# EAGLE board Mk4 Final Panel 8up 4x2 (EAGLE 9.0.1), part 10 of 23 (continued)
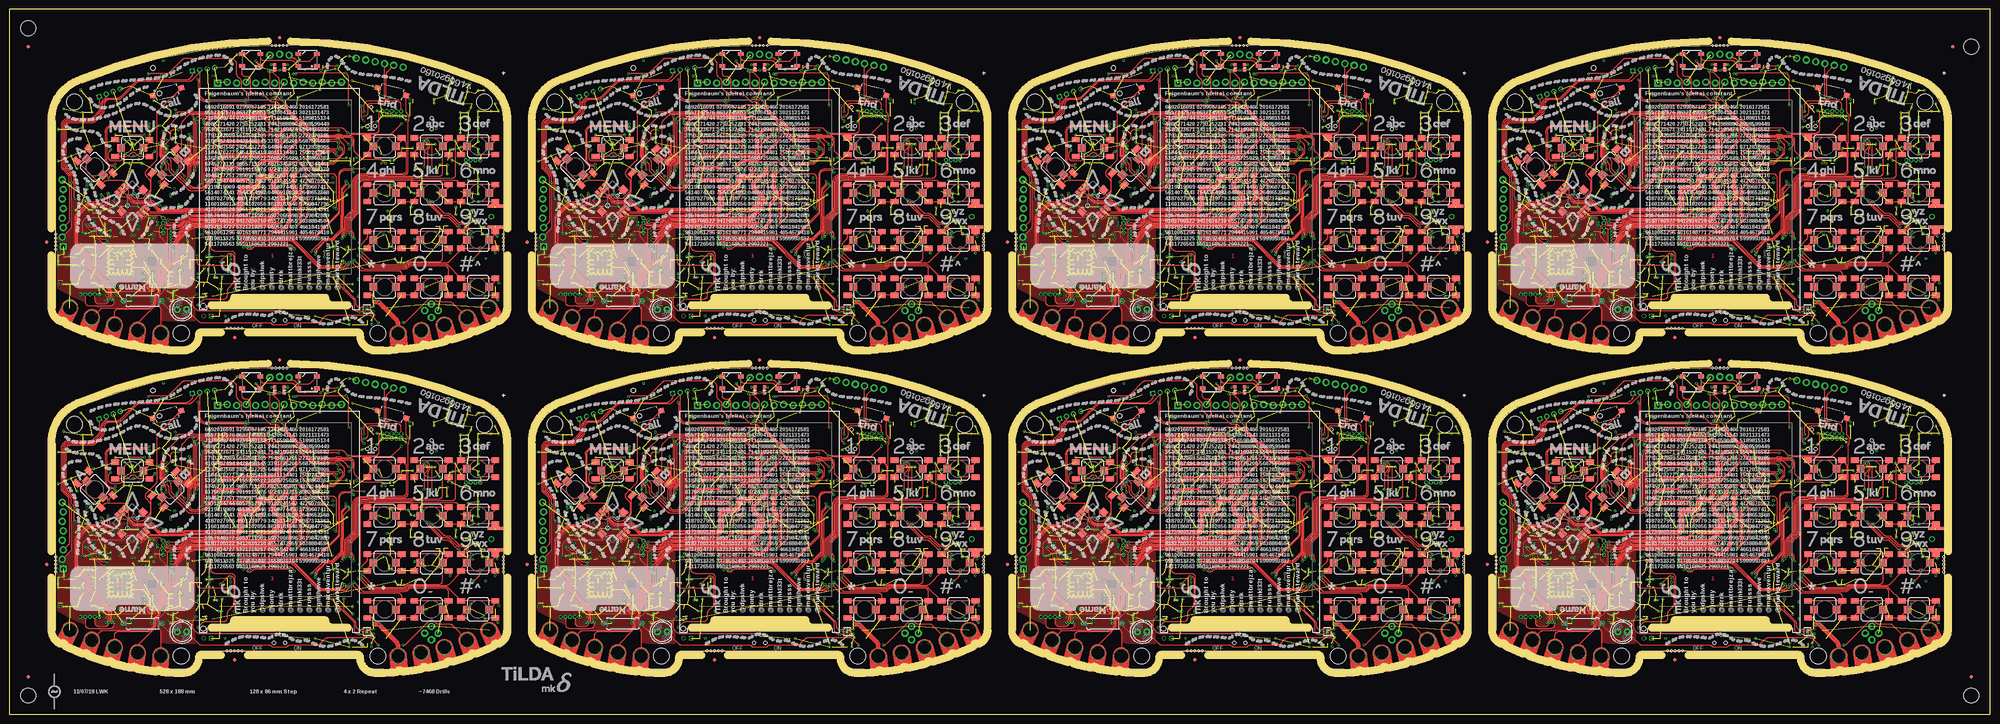
[diagram p0: board, top side]
## Tracks (layer width: path | path; a pad name or v marks a point on that pad's centre or on a via) (continued)
  Bottom 0.25: v482.35,104.5 v489,104.5
  Bottom 0.4: Q30.3 502.93,109.3 arc45 503.22,108.59 504.91,106.91
  Bottom 0.5: 504.91,106.91 PCB7.FET
FLASH_!CS  (via drill 0.3)
  Top 0.15: v25.75,24.5 26.23,24.98 arc45 26.52,25.69 26.52,26.73 arc45 26.23,27.44 24.9,28.77 arc-45 24.83,28.95 24.83,29.22 arc45 24.75,29.4 21.31,32.84 arc-45 20.8,34.08 20.8,35.29 arc45 20.51,35.99 18.01,38.49 arc-45 17.5,39.73 17.5,46.48 arc-45 18.01,47.71 20.46,50.16 arc-45 21.7,50.67 23.26,50.67 arc45 23.97,50.97 v24.5,51.5
  Bottom 0.15: JP1.3 21.48,24.5 arc90 22.48,23.5 24.34,23.5 arc45 25.04,23.79 v25.75,24.5 26.28,25.03 arc45 26.58,25.74 26.58,28.94 arc-45 26.63,29.08 26.72,29.16 arc45 26.77,29.3 26.77,29.66 26.75,29.68 IC15.14
  Bottom 0.2: R67.1 22.5,50.22 IC14.1 23.34,50.34 v24.5,51.5
FLASH_!CS1  (via drill 0.3)
  Top 0.15: v153.75,24.5 154.23,24.98 arc45 154.53,25.69 154.53,26.73 arc45 154.23,27.44 152.9,28.77 arc-45 152.82,28.95 152.82,29.22 arc45 152.75,29.4 149.31,32.84 arc-45 148.8,34.08 148.8,35.29 arc45 148.51,35.99 146.01,38.49 arc-45 145.5,39.73 145.5,46.48 arc-45 146.01,47.71 148.46,50.16 arc-45 149.7,50.67 151.26,50.67 arc45 151.97,50.97 v152.5,51.5
  Bottom 0.15: JP15.3 149.48,24.5 arc90 150.48,23.5 152.34,23.5 arc45 153.04,23.79 v153.75,24.5 154.28,25.03 arc45 154.57,25.74 154.57,28.94 arc-45 154.63,29.08 154.72,29.16 arc45 154.78,29.3 154.78,29.66 154.75,29.68 IC29.14
  Bottom 0.2: R145.1 150.5,50.22 IC30.1 151.34,50.34 v152.5,51.5
FLASH_!CS2  (via drill 0.3)
  Top 0.15: v25.75,110.5 26.23,110.98 arc45 26.52,111.69 26.52,112.73 arc45 26.23,113.44 24.9,114.78 arc-45 24.83,114.95 24.83,115.22 arc45 24.75,115.4 21.31,118.84 arc-45 20.8,120.08 20.8,121.29 arc45 20.51,121.99 18.01,124.49 arc-45 17.5,125.73 17.5,132.47 arc-45 18.01,133.71 20.46,136.16 arc-45 21.7,136.68 23.26,136.68 arc45 23.97,136.97 v24.5,137.5
  Bottom 0.15: JP24.3 21.48,110.5 arc90 22.48,109.5 24.34,109.5 arc45 25.04,109.79 v25.75,110.5 26.28,111.03 arc45 26.58,111.74 26.58,114.94 arc-45 26.63,115.08 26.72,115.16 arc45 26.77,115.3 26.77,115.66 26.75,115.68 IC47.14
  Bottom 0.2: R223.1 22.5,136.22 IC48.1 23.34,136.34 v24.5,137.5
FLASH_!CS3  (via drill 0.3)
  Top 0.15: v153.75,110.5 154.23,110.98 arc45 154.53,111.69 154.53,112.73 arc45 154.23,113.44 152.9,114.78 arc-45 152.82,114.95 152.82,115.22 arc45 152.75,115.4 149.31,118.84 arc-45 148.8,120.08 148.8,121.29 arc45 148.51,121.99 146.01,124.49 arc-45 145.5,125.73 145.5,132.47 arc-45 146.01,133.71 148.46,136.16 arc-45 149.7,136.68 151.26,136.68 arc45 151.97,136.97 v152.5,137.5
  Bottom 0.15: JP33.3 149.48,110.5 arc90 150.48,109.5 152.34,109.5 arc45 153.04,109.79 v153.75,110.5 154.28,111.03 arc45 154.57,111.74 154.57,114.94 arc-45 154.63,115.08 154.72,115.16 arc45 154.78,115.3 154.78,115.66 154.75,115.68 IC65.14
  Bottom 0.2: R301.1 150.5,136.22 IC66.1 151.34,136.34 v152.5,137.5
FLASH_!CS4  (via drill 0.3)
  Top 0.15: v281.75,24.5 282.23,24.98 arc45 282.52,25.69 282.52,26.73 arc45 282.23,27.44 280.9,28.77 arc-45 280.82,28.95 280.82,29.22 arc45 280.75,29.4 277.31,32.84 arc-45 276.8,34.08 276.8,35.29 arc45 276.51,35.99 274.01,38.49 arc-45 273.5,39.73 273.5,46.48 arc-45 274.01,47.71 276.46,50.16 arc-45 277.7,50.67 279.26,50.67 arc45 279.97,50.97 v280.5,51.5
  Bottom 0.15: JP42.3 277.48,24.5 arc90 278.48,23.5 280.34,23.5 arc45 281.04,23.79 v281.75,24.5 282.28,25.03 arc45 282.57,25.74 282.57,28.94 arc-45 282.63,29.08 282.72,29.16 arc45 282.77,29.3 282.77,29.66 282.75,29.68 IC83.14
  Bottom 0.2: R379.1 278.5,50.22 IC84.1 279.35,50.34 v280.5,51.5
FLASH_!CS5  (via drill 0.3)
  Top 0.15: v409.75,24.5 410.23,24.98 arc45 410.52,25.69 410.52,26.73 arc45 410.23,27.44 408.9,28.77 arc-45 408.82,28.95 408.82,29.22 arc45 408.75,29.4 405.31,32.84 arc-45 404.8,34.08 404.8,35.29 arc45 404.51,35.99 402.01,38.49 arc-45 401.5,39.73 401.5,46.48 arc-45 402.01,47.71 404.46,50.16 arc-45 405.7,50.67 407.26,50.67 arc45 407.97,50.97 v408.5,51.5
  Bottom 0.15: JP51.3 405.48,24.5 arc90 406.48,23.5 408.34,23.5 arc45 409.04,23.79 v409.75,24.5 410.28,25.03 arc45 410.57,25.74 410.57,28.94 arc-45 410.63,29.08 410.72,29.16 arc45 410.77,29.3 410.77,29.66 410.75,29.68 IC101.14
  Bottom 0.2: R457.1 406.5,50.22 IC102.1 407.35,50.34 v408.5,51.5
FLASH_!CS6  (via drill 0.3)
  Top 0.15: v281.75,110.5 282.23,110.98 arc45 282.52,111.69 282.52,112.73 arc45 282.23,113.44 280.9,114.78 arc-45 280.82,114.95 280.82,115.22 arc45 280.75,115.4 277.31,118.84 arc-45 276.8,120.08 276.8,121.29 arc45 276.51,121.99 274.01,124.49 arc-45 273.5,125.73 273.5,132.47 arc-45 274.01,133.71 276.46,136.16 arc-45 277.7,136.68 279.26,136.68 arc45 279.97,136.97 v280.5,137.5
  Bottom 0.15: JP60.3 277.48,110.5 arc90 278.48,109.5 280.34,109.5 arc45 281.04,109.79 v281.75,110.5 282.28,111.03 arc45 282.57,111.74 282.57,114.94 arc-45 282.63,115.08 282.72,115.16 arc45 282.77,115.3 282.77,115.66 282.75,115.68 IC119.14
  Bottom 0.2: R535.1 278.5,136.22 IC120.1 279.35,136.34 v280.5,137.5
FLASH_!CS7  (via drill 0.3)
  Top 0.15: v409.75,110.5 410.23,110.98 arc45 410.52,111.69 410.52,112.73 arc45 410.23,113.44 408.9,114.78 arc-45 408.82,114.95 408.82,115.22 arc45 408.75,115.4 405.31,118.84 arc-45 404.8,120.08 404.8,121.29 arc45 404.51,121.99 402.01,124.49 arc-45 401.5,125.73 401.5,132.47 arc-45 402.01,133.71 404.46,136.16 arc-45 405.7,136.68 407.26,136.68 arc45 407.97,136.97 v408.5,137.5
  Bottom 0.15: JP69.3 405.48,110.5 arc90 406.48,109.5 408.34,109.5 arc45 409.04,109.79 v409.75,110.5 410.28,111.03 arc45 410.57,111.74 410.57,114.94 arc-45 410.63,115.08 410.72,115.16 arc45 410.77,115.3 410.77,115.66 410.75,115.68 IC137.14
  Bottom 0.2: R613.1 406.5,136.22 IC138.1 407.35,136.34 v408.5,137.5
FLASH_!HOLD
  Bottom 0.2: R9.2 81.31,55.75 IC6.7
FLASH_!HOLD1
  Bottom 0.2: R93.2 209.31,55.75 IC22.7
FLASH_!HOLD2
  Bottom 0.2: R171.2 81.31,141.75 IC40.7
FLASH_!HOLD3
  Bottom 0.2: R249.2 209.31,141.75 IC58.7
FLASH_!HOLD4
  Bottom 0.2: R327.2 337.31,55.75 IC76.7
FLASH_!HOLD5
  Bottom 0.2: R405.2 465.31,55.75 IC94.7
FLASH_!HOLD6
  Bottom 0.2: R483.2 337.31,141.75 IC112.7
FLASH_!HOLD7
  Bottom 0.2: R561.2 465.31,141.75 IC130.7
FLASH_!WP
  Bottom 0.2: IC6.3 89.73,54.52 R10.2
FLASH_!WP1
  Bottom 0.2: IC22.3 217.74,54.52 R94.2
FLASH_!WP2
  Bottom 0.2: IC40.3 89.73,140.51 R172.2
FLASH_!WP3
  Bottom 0.2: IC58.3 217.74,140.51 R250.2
FLASH_!WP4
  Bottom 0.2: IC76.3 345.74,54.52 R328.2
FLASH_!WP5
  Bottom 0.2: IC94.3 473.74,54.52 R406.2
FLASH_!WP6
  Bottom 0.2: IC112.3 345.74,140.51 R484.2
FLASH_!WP7
  Bottom 0.2: IC130.3 473.74,140.51 R562.2
FLASH_CLK  (via drill 0.3)
  Top 0.15: v26.75,52.25 26.75,51.02 arc-90 25.5,49.77 21.76,49.77 arc45 21.05,49.48 18.69,47.12 arc45 18.4,46.41 18.4,39.81 arc45 18.69,39.11 21.49,36.31 arc-45 21.7,35.8 21.7,34.14 arc45 21.99,33.43 25.65,29.77 arc-45 25.73,29.59 25.73,29.32 arc45 25.8,29.15 26.96,27.98 arc-45 27.48,26.75 27.48,25.44 arc45 27.77,24.73 v28,24.5 28,24 arc-90 27,23 21.21,23 arc-90 20.21,24 JP1.4
  Bottom 0.15: IC15.11 28.25,29.84 arc-45 27.96,29.13 27.77,28.94 arc45 27.48,28.23 27.48,25.44 arc45 27.77,24.73 v28,24.5
  Bottom 0.2: IC14.6 27.8,52.88 arc45 27.09,52.59 v26.75,52.25
FLASH_CLK1  (via drill 0.3)
  Top 0.15: v154.75,52.25 154.75,51.02 arc-90 153.5,49.77 149.76,49.77 arc45 149.06,49.48 146.69,47.12 arc45 146.4,46.41 146.4,39.81 arc45 146.69,39.11 149.49,36.31 arc-45 149.7,35.8 149.7,34.14 arc45 149.99,33.43 153.65,29.77 arc-45 153.72,29.59 153.72,29.32 arc45 153.8,29.15 154.96,27.98 arc-45 155.47,26.75 155.47,25.44 arc45 155.77,24.73 v156,24.5 156,24 arc-90 155,23 149.21,23 arc-90 148.21,24 JP15.4
  Bottom 0.15: IC29.11 156.25,29.84 arc-45 155.96,29.13 155.77,28.94 arc45 155.47,28.23 155.47,25.44 arc45 155.77,24.73 v156,24.5
  Bottom 0.2: IC30.6 155.8,52.88 arc45 155.09,52.59 v154.75,52.25
FLASH_CLK2  (via drill 0.3)
  Top 0.15: v26.75,138.25 26.75,137.03 arc-90 25.5,135.78 21.76,135.78 arc45 21.05,135.48 18.69,133.12 arc45 18.4,132.41 18.4,125.81 arc45 18.69,125.11 21.49,122.31 arc-45 21.7,121.8 21.7,120.14 arc45 21.99,119.43 25.65,115.77 arc-45 25.73,115.59 25.73,115.33 arc45 25.8,115.15 26.96,113.98 arc-45 27.48,112.75 27.48,111.44 arc45 27.77,110.73 v28,110.5 28,110 arc-90 27,109 21.21,109 arc-90 20.21,110 JP24.4
  Bottom 0.15: IC47.11 28.25,115.84 arc-45 27.96,115.13 27.77,114.94 arc45 27.48,114.23 27.48,111.44 arc45 27.77,110.73 v28,110.5
  Bottom 0.2: IC48.6 27.8,138.88 arc45 27.09,138.59 v26.75,138.25
FLASH_CLK3  (via drill 0.3)
  Top 0.15: v154.75,138.25 154.75,137.03 arc-90 153.5,135.78 149.76,135.78 arc45 149.06,135.48 146.69,133.12 arc45 146.4,132.41 146.4,125.81 arc45 146.69,125.11 149.49,122.31 arc-45 149.7,121.8 149.7,120.14 arc45 149.99,119.43 153.65,115.77 arc-45 153.72,115.59 153.72,115.33 arc45 153.8,115.15 154.96,113.98 arc-45 155.47,112.75 155.47,111.44 arc45 155.77,110.73 v156,110.5 156,110 arc-90 155,109 149.21,109 arc-90 148.21,110 JP33.4
  Bottom 0.15: IC65.11 156.25,115.84 arc-45 155.96,115.13 155.77,114.94 arc45 155.47,114.23 155.47,111.44 arc45 155.77,110.73 v156,110.5
  Bottom 0.2: IC66.6 155.8,138.88 arc45 155.09,138.59 v154.75,138.25
FLASH_CLK4  (via drill 0.3)
  Top 0.15: v282.75,52.25 282.75,51.02 arc-90 281.5,49.77 277.76,49.77 arc45 277.06,49.48 274.69,47.12 arc45 274.4,46.41 274.4,39.81 arc45 274.69,39.11 277.49,36.31 arc-45 277.7,35.8 277.7,34.14 arc45 277.99,33.43 281.65,29.77 arc-45 281.73,29.59 281.73,29.32 arc45 281.8,29.15 282.96,27.98 arc-45 283.48,26.75 283.48,25.44 arc45 283.77,24.73 v284,24.5 284,24 arc-90 283,23 277.21,23 arc-90 276.21,24 JP42.4
  Bottom 0.15: IC83.11 284.25,29.84 arc-45 283.96,29.13 283.77,28.94 arc45 283.48,28.23 283.48,25.44 arc45 283.77,24.73 v284,24.5
  Bottom 0.2: IC84.6 283.8,52.88 arc45 283.09,52.59 v282.75,52.25
FLASH_CLK5  (via drill 0.3)
  Top 0.15: v410.75,52.25 410.75,51.02 arc-90 409.5,49.77 405.76,49.77 arc45 405.06,49.48 402.69,47.12 arc45 402.4,46.41 402.4,39.81 arc45 402.69,39.11 405.49,36.31 arc-45 405.7,35.8 405.7,34.14 arc45 405.99,33.43 409.65,29.77 arc-45 409.73,29.59 409.73,29.32 arc45 409.8,29.15 410.96,27.98 arc-45 411.48,26.75 411.48,25.44 arc45 411.77,24.73 v412,24.5 412,24 arc-90 411,23 405.21,23 arc-90 404.21,24 JP51.4
  Bottom 0.15: IC101.11 412.25,29.84 arc-45 411.96,29.13 411.77,28.94 arc45 411.48,28.23 411.48,25.44 arc45 411.77,24.73 v412,24.5
  Bottom 0.2: IC102.6 411.8,52.88 arc45 411.09,52.59 v410.75,52.25
FLASH_CLK6  (via drill 0.3)
  Top 0.15: v282.75,138.25 282.75,137.03 arc-90 281.5,135.78 277.76,135.78 arc45 277.06,135.48 274.69,133.12 arc45 274.4,132.41 274.4,125.81 arc45 274.69,125.11 277.49,122.31 arc-45 277.7,121.8 277.7,120.14 arc45 277.99,119.43 281.65,115.77 arc-45 281.73,115.59 281.73,115.33 arc45 281.8,115.15 282.96,113.98 arc-45 283.48,112.75 283.48,111.44 arc45 283.77,110.73 v284,110.5 284,110 arc-90 283,109 277.21,109 arc-90 276.21,110 JP60.4
  Bottom 0.15: IC119.11 284.25,115.84 arc-45 283.96,115.13 283.77,114.94 arc45 283.48,114.23 283.48,111.44 arc45 283.77,110.73 v284,110.5
  Bottom 0.2: IC120.6 283.8,138.88 arc45 283.09,138.59 v282.75,138.25
FLASH_CLK7  (via drill 0.3)
  Top 0.15: v410.75,138.25 410.75,137.03 arc-90 409.5,135.78 405.76,135.78 arc45 405.06,135.48 402.69,133.12 arc45 402.4,132.41 402.4,125.81 arc45 402.69,125.11 405.49,122.31 arc-45 405.7,121.8 405.7,120.14 arc45 405.99,119.43 409.65,115.77 arc-45 409.73,115.59 409.73,115.33 arc45 409.8,115.15 410.96,113.98 arc-45 411.48,112.75 411.48,111.44 arc45 411.77,110.73 v412,110.5 412,110 arc-90 411,109 405.21,109 arc-90 404.21,110 JP69.4
  Bottom 0.15: IC137.11 412.25,115.84 arc-45 411.96,115.13 411.77,114.94 arc45 411.48,114.23 411.48,111.44 arc45 411.77,110.73 v412,110.5
  Bottom 0.2: IC138.6 411.8,138.88 arc45 411.09,138.59 v410.75,138.25
FLASH_MISO  (via drill 0.3)
  Top 0.15: v24.5,52.5 arc-45 24.84,52.36 25.11,52.09 arc-45 25.4,51.39 25.4,51.38 arc-90 24.4,50.38 21.72,50.38 arc45 20.66,49.94 18.24,47.52 arc45 17.8,46.45 17.8,39.75 arc45 18.24,38.69 20.73,36.19 arc-45 21.1,35.31 21.1,34.1 arc45 21.54,33.03 25.05,29.52 arc-45 25.12,29.35 25.12,29.08 arc45 25.2,28.9 26.46,27.64 arc-45 26.83,26.76 26.83,25.24 arc-45 26.53,24.53 v26.5,24.5 arc-90 25.5,23.5 23.75,23.5 arc-90 22.75,24.5 JP1.2
  Bottom 0.15: 26.5,24.6 v26.5,24.5 26.5,24.71 arc-45 26.58,24.91 arc45 26.88,25.62 26.88,28.48 arc-45 27.17,29.19 arc45 27.25,29.39 IC15.13
  Bottom 0.2: IC14.2 23.2,51.62 arc45 23.91,51.91 v24.5,52.5
FLASH_MISO1  (via drill 0.3)
  Top 0.15: v152.5,52.5 arc-45 152.84,52.36 153.11,52.09 arc-45 153.4,51.39 153.4,51.38 arc-90 152.4,50.38 149.72,50.38 arc45 148.66,49.94 146.24,47.52 arc45 145.8,46.45 145.8,39.75 arc45 146.24,38.69 148.73,36.19 arc-45 149.1,35.31 149.1,34.1 arc45 149.54,33.03 153.05,29.52 arc-45 153.12,29.35 153.12,29.08 arc45 153.2,28.9 154.46,27.64 arc-45 154.82,26.76 154.82,25.24 arc-45 154.53,24.53 v154.5,24.5 arc-90 153.5,23.5 151.75,23.5 arc-90 150.75,24.5 JP15.2
  Bottom 0.15: 154.5,24.6 v154.5,24.5 154.5,24.71 arc-45 154.58,24.91 arc45 154.88,25.62 154.88,28.48 arc-45 155.17,29.19 arc45 155.25,29.39 IC29.13
  Bottom 0.2: IC30.2 151.2,51.62 arc45 151.91,51.91 v152.5,52.5
FLASH_MISO2  (via drill 0.3)
  Top 0.15: v24.5,138.5 arc-45 24.84,138.36 25.11,138.09 arc-45 25.4,137.39 25.4,137.38 arc-90 24.4,136.38 21.72,136.38 arc45 20.66,135.94 18.24,133.51 arc45 17.8,132.45 17.8,125.75 arc45 18.24,124.69 20.73,122.19 arc-45 21.1,121.31 21.1,120.1 arc45 21.54,119.03 25.05,115.52 arc-45 25.12,115.35 25.12,115.08 arc45 25.2,114.9 26.46,113.64 arc-45 26.83,112.75 26.83,111.24 arc-45 26.53,110.53 v26.5,110.5 arc-90 25.5,109.5 23.75,109.5 arc-90 22.75,110.5 JP24.2
  Bottom 0.15: 26.5,110.6 v26.5,110.5 26.5,110.71 arc-45 26.58,110.91 arc45 26.88,111.61 26.88,114.48 arc-45 27.17,115.19 arc45 27.25,115.39 IC47.13
  Bottom 0.2: IC48.2 23.2,137.62 arc45 23.91,137.91 v24.5,138.5
FLASH_MISO3  (via drill 0.3)
  Top 0.15: v152.5,138.5 arc-45 152.84,138.36 153.11,138.09 arc-45 153.4,137.39 153.4,137.38 arc-90 152.4,136.38 149.72,136.38 arc45 148.66,135.94 146.24,133.51 arc45 145.8,132.45 145.8,125.75 arc45 146.24,124.69 148.73,122.19 arc-45 149.1,121.31 149.1,120.1 arc45 149.54,119.03 153.05,115.52 arc-45 153.12,115.35 153.12,115.08 arc45 153.2,114.9 154.46,113.64 arc-45 154.82,112.75 154.82,111.24 arc-45 154.53,110.53 v154.5,110.5 arc-90 153.5,109.5 151.75,109.5 arc-90 150.75,110.5 JP33.2
  Bottom 0.15: 154.5,110.6 v154.5,110.5 154.5,110.71 arc-45 154.58,110.91 arc45 154.88,111.61 154.88,114.48 arc-45 155.17,115.19 arc45 155.25,115.39 IC65.13
  Bottom 0.2: IC66.2 151.2,137.62 arc45 151.91,137.91 v152.5,138.5
FLASH_MISO4  (via drill 0.3)
  Top 0.15: v280.5,52.5 arc-45 280.84,52.36 281.11,52.09 arc-45 281.4,51.39 281.4,51.38 arc-90 280.4,50.38 277.72,50.38 arc45 276.66,49.94 274.24,47.52 arc45 273.8,46.45 273.8,39.75 arc45 274.24,38.69 276.73,36.19 arc-45 277.1,35.31 277.1,34.1 arc45 277.54,33.03 281.05,29.52 arc-45 281.12,29.35 281.12,29.08 arc45 281.2,28.9 282.46,27.64 arc-45 282.82,26.76 282.82,25.24 arc-45 282.53,24.53 v282.5,24.5 arc-90 281.5,23.5 279.75,23.5 arc-90 278.75,24.5 JP42.2
  Bottom 0.15: 282.5,24.6 v282.5,24.5 282.5,24.71 arc-45 282.58,24.91 arc45 282.88,25.62 282.88,28.48 arc-45 283.17,29.19 arc45 283.25,29.39 IC83.13
  Bottom 0.2: IC84.2 279.2,51.62 arc45 279.91,51.91 v280.5,52.5
FLASH_MISO5  (via drill 0.3)
  Top 0.15: v408.5,52.5 arc-45 408.84,52.36 409.11,52.09 arc-45 409.4,51.39 409.4,51.38 arc-90 408.4,50.38 405.72,50.38 arc45 404.66,49.94 402.24,47.52 arc45 401.8,46.45 401.8,39.75 arc45 402.24,38.69 404.73,36.19 arc-45 405.1,35.31 405.1,34.1 arc45 405.54,33.03 409.05,29.52 arc-45 409.12,29.35 409.12,29.08 arc45 409.2,28.9 410.46,27.64 arc-45 410.82,26.76 410.82,25.24 arc-45 410.53,24.53 v410.5,24.5 arc-90 409.5,23.5 407.75,23.5 arc-90 406.75,24.5 JP51.2
  Bottom 0.15: 410.5,24.6 v410.5,24.5 410.5,24.71 arc-45 410.58,24.91 arc45 410.88,25.62 410.88,28.48 arc-45 411.17,29.19 arc45 411.25,29.39 IC101.13
  Bottom 0.2: IC102.2 407.2,51.62 arc45 407.91,51.91 v408.5,52.5
FLASH_MISO6  (via drill 0.3)
  Top 0.15: v280.5,138.5 arc-45 280.84,138.36 281.11,138.09 arc-45 281.4,137.39 281.4,137.38 arc-90 280.4,136.38 277.72,136.38 arc45 276.66,135.94 274.24,133.51 arc45 273.8,132.45 273.8,125.75 arc45 274.24,124.69 276.73,122.19 arc-45 277.1,121.31 277.1,120.1 arc45 277.54,119.03 281.05,115.52 arc-45 281.12,115.35 281.12,115.08 arc45 281.2,114.9 282.46,113.64 arc-45 282.82,112.75 282.82,111.24 arc-45 282.53,110.53 v282.5,110.5 arc-90 281.5,109.5 279.75,109.5 arc-90 278.75,110.5 JP60.2
  Bottom 0.15: 282.5,110.6 v282.5,110.5 282.5,110.71 arc-45 282.58,110.91 arc45 282.88,111.61 282.88,114.48 arc-45 283.17,115.19 arc45 283.25,115.39 IC119.13
  Bottom 0.2: IC120.2 279.2,137.62 arc45 279.91,137.91 v280.5,138.5
FLASH_MISO7  (via drill 0.3)
  Top 0.15: v408.5,138.5 arc-45 408.84,138.36 409.11,138.09 arc-45 409.4,137.39 409.4,137.38 arc-90 408.4,136.38 405.72,136.38 arc45 404.66,135.94 402.24,133.51 arc45 401.8,132.45 401.8,125.75 arc45 402.24,124.69 404.73,122.19 arc-45 405.1,121.31 405.1,120.1 arc45 405.54,119.03 409.05,115.52 arc-45 409.12,115.35 409.12,115.08 arc45 409.2,114.9 410.46,113.64 arc-45 410.82,112.75 410.82,111.24 arc-45 410.53,110.53 v410.5,110.5 arc-90 409.5,109.5 407.75,109.5 arc-90 406.75,110.5 JP69.2
  Bottom 0.15: 410.5,110.6 v410.5,110.5 410.5,110.71 arc-45 410.58,110.91 arc45 410.88,111.61 410.88,114.48 arc-45 411.17,115.19 arc45 411.25,115.39 IC137.13
  Bottom 0.2: IC138.2 407.2,137.62 arc45 407.91,137.91 v408.5,138.5
FLASH_MOSI  (via drill 0.3)
  Top 0.15: v27.25,24.5 arc-45 27.12,24.8 27.12,26.78 arc45 26.69,27.84 25.5,29.02 arc-45 25.42,29.2 25.42,29.47 arc45 25.35,29.65 21.77,33.23 arc-45 21.4,34.12 21.4,35.33 arc45 20.96,36.39 18.47,38.88 arc-45 18.1,39.77 18.1,46.43 arc-45 18.47,47.32 20.86,49.71 arc-45 21.74,50.08 25.2,50.08 arc90 26.2,51.08 26.2,52.95 v26.25,53
  Bottom 0.15: 27.17,24.57 v27.25,24.5 | JP1.5 18.94,25.56 21.21,23.29 arc45 21.91,23 26.02,23 arc90 27.02,24 27.02,24.21 arc-45 27.17,24.57 | IC15.12 27.75,29.75 arc-45 27.47,29.07 arc45 27.17,28.36 27.17,24.57
  Bottom 0.2: IC14.5 27.82,54.16 arc45 27.11,53.86 v26.25,53
FLASH_MOSI1  (via drill 0.3)
  Top 0.15: v155.25,24.5 arc-45 155.12,24.8 155.12,26.78 arc45 154.69,27.84 153.5,29.02 arc-45 153.43,29.2 153.43,29.47 arc45 153.35,29.65 149.77,33.23 arc-45 149.4,34.12 149.4,35.33 arc45 148.96,36.39 146.47,38.88 arc-45 146.1,39.77 146.1,46.43 arc-45 146.47,47.32 148.86,49.71 arc-45 149.74,50.08 153.2,50.08 arc90 154.2,51.08 154.2,52.95 v154.25,53
  Bottom 0.15: 155.18,24.57 v155.25,24.5 | JP15.5 146.94,25.56 149.21,23.29 arc45 149.91,23 154.03,23 arc90 155.03,24 155.03,24.21 arc-45 155.18,24.57 | IC29.12 155.75,29.75 arc-45 155.47,29.07 arc45 155.18,28.36 155.18,24.57
  Bottom 0.2: IC30.5 155.82,54.16 arc45 155.11,53.86 v154.25,53
FLASH_MOSI2  (via drill 0.3)
  Top 0.15: v27.25,110.5 arc-45 27.12,110.8 27.12,112.78 arc45 26.69,113.84 25.5,115.02 arc-45 25.42,115.2 25.42,115.47 arc45 25.35,115.65 21.77,119.23 arc-45 21.4,120.12 21.4,121.33 arc45 20.96,122.39 18.47,124.88 arc-45 18.1,125.77 18.1,132.43 arc-45 18.47,133.32 20.86,135.71 arc-45 21.74,136.07 25.2,136.07 arc90 26.2,137.07 26.2,138.95 v26.25,139
  Bottom 0.15: 27.17,110.58 v27.25,110.5 | JP24.5 18.94,111.56 21.21,109.29 arc45 21.91,109 26.02,109 arc90 27.02,110 27.02,110.21 arc-45 27.17,110.58 | IC47.12 27.75,115.75 arc-45 27.47,115.07 arc45 27.17,114.36 27.17,110.58
  Bottom 0.2: IC48.5 27.82,140.16 arc45 27.11,139.86 v26.25,139
FLASH_MOSI3  (via drill 0.3)
  Top 0.15: v155.25,110.5 arc-45 155.12,110.8 155.12,112.78 arc45 154.69,113.84 153.5,115.02 arc-45 153.43,115.2 153.43,115.47 arc45 153.35,115.65 149.77,119.23 arc-45 149.4,120.12 149.4,121.33 arc45 148.96,122.39 146.47,124.88 arc-45 146.1,125.77 146.1,132.43 arc-45 146.47,133.32 148.86,135.71 arc-45 149.74,136.07 153.2,136.07 arc90 154.2,137.07 154.2,138.95 v154.25,139
  Bottom 0.15: 155.18,110.58 v155.25,110.5 | JP33.5 146.94,111.56 149.21,109.29 arc45 149.91,109 154.03,109 arc90 155.03,110 155.03,110.21 arc-45 155.18,110.58 | IC65.12 155.75,115.75 arc-45 155.47,115.07 arc45 155.18,114.36 155.18,110.58
  Bottom 0.2: IC66.5 155.82,140.16 arc45 155.11,139.86 v154.25,139
FLASH_MOSI4  (via drill 0.3)
  Top 0.15: v283.25,24.5 arc-45 283.12,24.8 283.12,26.78 arc45 282.69,27.84 281.5,29.02 arc-45 281.43,29.2 281.43,29.47 arc45 281.35,29.65 277.77,33.23 arc-45 277.4,34.12 277.4,35.33 arc45 276.96,36.39 274.47,38.88 arc-45 274.1,39.77 274.1,46.43 arc-45 274.47,47.32 276.86,49.71 arc-45 277.74,50.08 281.2,50.08 arc90 282.2,51.08 282.2,52.95 v282.25,53
  Bottom 0.15: 283.18,24.57 v283.25,24.5 | JP42.5 274.94,25.56 277.21,23.29 arc45 277.91,23 282.02,23 arc90 283.02,24 283.02,24.21 arc-45 283.18,24.57 | IC83.12 283.75,29.75 arc-45 283.47,29.07 arc45 283.18,28.36 283.18,24.57
  Bottom 0.2: IC84.5 283.82,54.16 arc45 283.11,53.86 v282.25,53
FLASH_MOSI5  (via drill 0.3)
  Top 0.15: v411.25,24.5 arc-45 411.12,24.8 411.12,26.78 arc45 410.69,27.84 409.5,29.02 arc-45 409.43,29.2 409.43,29.47 arc45 409.35,29.65 405.77,33.23 arc-45 405.4,34.12 405.4,35.33 arc45 404.96,36.39 402.47,38.88 arc-45 402.1,39.77 402.1,46.43 arc-45 402.47,47.32 404.86,49.71 arc-45 405.74,50.08 409.2,50.08 arc90 410.2,51.08 410.2,52.95 v410.25,53
  Bottom 0.15: 411.18,24.57 v411.25,24.5 | JP51.5 402.94,25.56 405.21,23.29 arc45 405.91,23 410.02,23 arc90 411.02,24 411.02,24.21 arc-45 411.18,24.57 | IC101.12 411.75,29.75 arc-45 411.47,29.07 arc45 411.18,28.36 411.18,24.57
  Bottom 0.2: IC102.5 411.82,54.16 arc45 411.11,53.86 v410.25,53
FLASH_MOSI6  (via drill 0.3)
  Top 0.15: v283.25,110.5 arc-45 283.12,110.8 283.12,112.78 arc45 282.69,113.84 281.5,115.02 arc-45 281.43,115.2 281.43,115.47 arc45 281.35,115.65 277.77,119.23 arc-45 277.4,120.12 277.4,121.33 arc45 276.96,122.39 274.47,124.88 arc-45 274.1,125.77 274.1,132.43 arc-45 274.47,133.32 276.86,135.71 arc-45 277.74,136.07 281.2,136.07 arc90 282.2,137.07 282.2,138.95 v282.25,139
  Bottom 0.15: 283.18,110.58 v283.25,110.5 | JP60.5 274.94,111.56 277.21,109.29 arc45 277.91,109 282.02,109 arc90 283.02,110 283.02,110.21 arc-45 283.18,110.58 | IC119.12 283.75,115.75 arc-45 283.47,115.07 arc45 283.18,114.36 283.18,110.58
  Bottom 0.2: IC120.5 283.82,140.16 arc45 283.11,139.86 v282.25,139
FLASH_MOSI7  (via drill 0.3)
  Top 0.15: v411.25,110.5 arc-45 411.12,110.8 411.12,112.78 arc45 410.69,113.84 409.5,115.02 arc-45 409.43,115.2 409.43,115.47 arc45 409.35,115.65 405.77,119.23 arc-45 405.4,120.12 405.4,121.33 arc45 404.96,122.39 402.47,124.88 arc-45 402.1,125.77 402.1,132.43 arc-45 402.47,133.32 404.86,135.71 arc-45 405.74,136.07 409.2,136.07 arc90 410.2,137.07 410.2,138.95 v410.25,139
  Bottom 0.15: 411.18,110.58 v411.25,110.5 | JP69.5 402.94,111.56 405.21,109.29 arc45 405.91,109 410.02,109 arc90 411.02,110 411.02,110.21 arc-45 411.18,110.58 | IC137.12 411.75,115.75 arc-45 411.47,115.07 arc45 411.18,114.36 411.18,110.58
  Bottom 0.2: IC138.5 411.82,140.16 arc45 411.11,139.86 v410.25,139
FLASH_PU
  Bottom 0.15: IC14.3 24,52.88 arc45 24.14,52.94 24.17,52.97 arc-45 24.31,53.02 24.51,53.02 arc-45 24.86,52.88 25.84,51.91 arc45 26.54,51.62 IC14.7
  Bottom 0.2: IC14.3 20.63,52.88 R66.2
FLASH_PU1
  Bottom 0.15: IC30.3 152,52.88 arc45 152.14,52.94 152.17,52.97 arc-45 152.31,53.02 152.51,53.02 arc-45 152.86,52.88 153.83,51.91 arc45 154.54,51.62 IC30.7
  Bottom 0.2: IC30.3 148.63,52.88 R144.2
FLASH_PU2
  Bottom 0.15: IC48.3 24,138.88 arc45 24.14,138.94 24.17,138.97 arc-45 24.31,139.03 24.51,139.03 arc-45 24.86,138.88 25.84,137.91 arc45 26.54,137.62 IC48.7
  Bottom 0.2: IC48.3 20.63,138.88 R222.2
FLASH_PU3
  Bottom 0.15: IC66.3 152,138.88 arc45 152.14,138.94 152.17,138.97 arc-45 152.31,139.03 152.51,139.03 arc-45 152.86,138.88 153.83,137.91 arc45 154.54,137.62 IC66.7
  Bottom 0.2: IC66.3 148.63,138.88 R300.2
FLASH_PU4
  Bottom 0.15: IC84.3 280,52.88 arc45 280.14,52.94 280.17,52.97 arc-45 280.31,53.02 280.51,53.02 arc-45 280.86,52.88 281.84,51.91 arc45 282.54,51.62 IC84.7
  Bottom 0.2: IC84.3 276.63,52.88 R378.2
FLASH_PU5
  Bottom 0.15: IC102.3 408,52.88 arc45 408.14,52.94 408.17,52.97 arc-45 408.31,53.02 408.51,53.02 arc-45 408.86,52.88 409.83,51.91 arc45 410.54,51.62 IC102.7
  Bottom 0.2: IC102.3 404.63,52.88 R456.2
FLASH_PU6
  Bottom 0.15: IC120.3 280,138.88 arc45 280.14,138.94 280.17,138.97 arc-45 280.31,139.03 280.51,139.03 arc-45 280.86,138.88 281.84,137.91 arc45 282.54,137.62 IC120.7
  Bottom 0.2: IC120.3 276.63,138.88 R534.2
FLASH_PU7
  Bottom 0.15: IC138.3 408,138.88 arc45 408.14,138.94 408.17,138.97 arc-45 408.31,139.03 408.51,139.03 arc-45 408.86,138.88 409.83,137.91 arc45 410.54,137.62 IC138.7
  Bottom 0.2: IC138.3 404.63,138.88 R612.2
GMS_ANT_L
  Bottom 0.4: L3.2 C73.2 D2.1 128.25,46.5 J4.ANT J7.1
GMS_ANT_L1
  Bottom 0.4: L13.2 C174.2 D4.1 256.25,46.5 J15.ANT J19.1
GMS_ANT_L2